# Altium PCB OAI_KPA_Digital_part.PcbDoc (part 1 of 3) (continued)
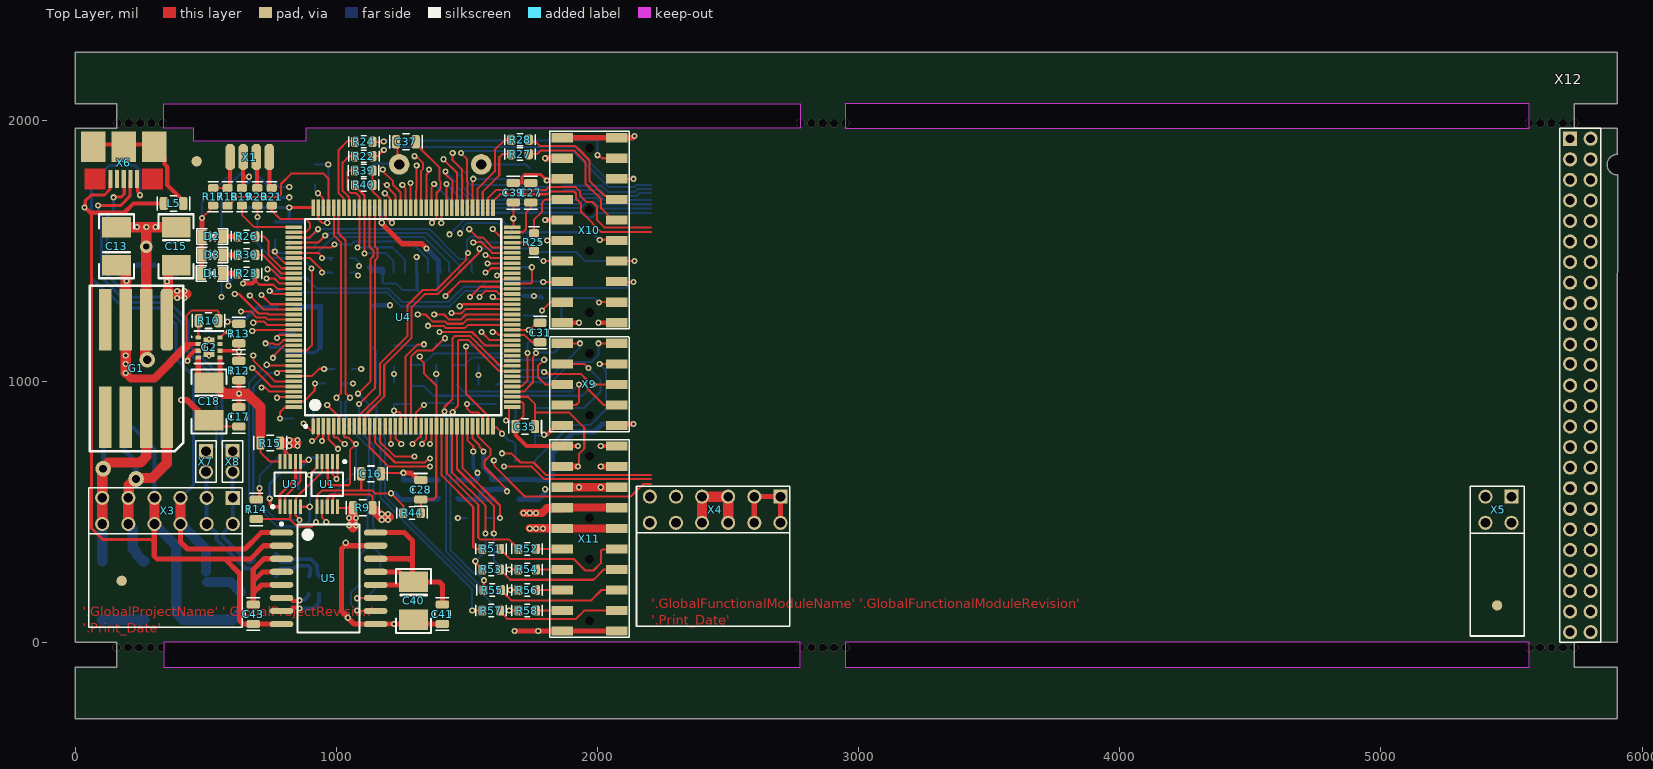
[diagram p0: Top Layer view]
## Components (designator, comment, footprint, x,y, rotation, side; value= is the part's Value field where it differs from the comment) (continued)
R51 "1к" SMD_0603#1 1559.06,358.27 r0 top
R52 "1к" SMD_0603#1 1696.7,358.27 r0 top
R53 "1к" SMD_0603#1 1559.06,279.53 r0 top
R54 "1к" SMD_0603#1 1696.7,279.53 r0 top
R55 "1к" SMD_0603#1 1562.99,200.79 r0 top
R56 "1к" SMD_0603#1 1696.7,200.79 r0 top
R57 "1к" SMD_0603#1 1559.06,122.05 r0 top
R58 "1к" SMD_0603#1 1696.7,122.05 r0 top
U1 "INA261" VSSOP-10 1003.94,692.91 r270 top
U2 "ADR390" TSOT-5 1602.36,549.41 r0 bottom
U3 "INA261" VSSOP-10 783.46,519.69 r90 top
U4 "STM32F405ZGT7" LQFP144 909.92,826.06 r270 top
U5 "ADuM1402" SOIC-16-WIDE 789.37,420.67 r0 top
X1 "EDGE_CONN 2x4" EDGE_CON-8 452.76,1968.5 r0 top
X2 "SD-card" "SD-card holder" 1434.25,1830.71 r0 bottom
X3 "Header 2X6" "PLD2-12R 2.54" 602.76,553.74 r270 top
X4 "Header 2X6" "PLD2-12R 2.54" 2700,558.27 r270 top
X5 "Header 2X4" "PLD2-4 R 2.54" 5500,558.27 r270 top
X6 "mico-BF" "USB Micro-BF smd" 185.04,1775.59 r180 top
X7 "Header 2X1" PLD2-2 500,732.28 r270 top
X8 "Header 2X1" PLD2-2 602.36,732.28 r270 top
X9 "Header 2X10" PBD2-10s 2072.81,1145.67 r0 top
X10 "Header 2X10" PBD2-20S 2072.83,1933.07 r0 top
X11 "Header 2X10" PBD2-20S 2072.83,751.97 r0 top
X12 "Header 2X25" PLD2-50 5724.41,1929.13 r0 top

## Footprints (in the part's own frame and the unit in brackets; to place one, negate y for a bottom-side part, rotate by r counter-clockwise, add the part's x,y. Pads: shape width x height; smd on the part's side, far side on the other; paste and mask are expansions set on the pad)
ACM2012 [mm]
  rrect50% 0.9x0.6 smd: 1(0,0)
  rect 0.9x0.6 smd: 2(1.7,0) 3(1.7,-1) 4(0,-1)
  body extent -0.2,-1.1 1.8,0.1, height 1.29
EDGE_CON-8 [mil]
  oct 36x100 smd: A1(140,-110) A2(190,-110) A3(240,-110) A4(290,-110)
  oct 36x100 smd far side: B1(140,-110) B2(190,-110) B3(240,-110) B4(290,-110)
LED-0805 [mil]
  rect 35x50 smd: 1(0,0) 2(80,0)
  silkscreen extent -20,-30 100,30, body extent 1,-25 80,25, height 43
LQFP144 [mm] "Thin QFP, 144-Leads, Body 20x20mm, Pitch 0.5mm, ST Recommended"
  oval 1.6x0.35 smd: 1(-0.043,0.013)
  rect 1.6x0.35 smd: 2(-0.043,0.513) 3(-0.043,1.013) 4(-0.043,1.513) 5(-0.043,2.013) 6(-0.043,2.513) 7(-0.043,3.013) 8(-0.043,3.513) 9(-0.043,4.013) 10(-0.043,4.513) 11(-0.043,5.013) 12(-0.043,5.513) 13(-0.043,6.013) 14(-0.043,6.513) 15(-0.043,7.013) 16(-0.043,7.513) 17(-0.043,8.013) 18(-0.043,8.513) 19(-0.043,9.013) 20(-0.043,9.513) 21(-0.043,10.013) 22(-0.043,10.513) 23(-0.043,11.013) 24(-0.043,11.513) 25(-0.043,12.013) 26(-0.043,12.513) 27(-0.043,13.013) 28(-0.043,13.513) 29(-0.043,14.013) 30(-0.043,14.513) 31(-0.043,15.013) 32(-0.043,15.513) 33(-0.043,16.013) 34(-0.043,16.513) 35(-0.043,17.013) 36(-0.043,17.513) 73(-21.293,17.513) 74(-21.293,17.013) 75(-21.293,16.513) 76(-21.293,16.013) 77(-21.293,15.513) 78(-21.293,15.013) 79(-21.293,14.513) 80(-21.293,14.013) 81(-21.293,13.513) 82(-21.293,13.013) 83(-21.293,12.513) 84(-21.293,12.013) 85(-21.293,11.513) 86(-21.293,11.013) 87(-21.293,10.513) 88(-21.293,10.013) 89(-21.293,9.513) 90(-21.293,9.013) 91(-21.293,8.513) 92(-21.293,8.013) 93(-21.293,7.513) 94(-21.293,7.013) 95(-21.293,6.513) 96(-21.293,6.013) 97(-21.293,5.513) 98(-21.293,5.013) 99(-21.293,4.513) 100(-21.293,4.013) 101(-21.293,3.513) 102(-21.293,3.013) 103(-21.293,2.513) 104(-21.293,2.013) 105(-21.293,1.513) 106(-21.293,1.013) 107(-21.293,0.513) 108(-21.293,0.013)
  rect 0.35x1.6 smd: 37(-1.918,19.388) 38(-2.418,19.388) 39(-2.918,19.388) 40(-3.418,19.388) 41(-3.918,19.388) 42(-4.418,19.388) 43(-4.918,19.388) 44(-5.418,19.388) 45(-5.918,19.388) 46(-6.418,19.388) 47(-6.918,19.388) 48(-7.418,19.388) 49(-7.918,19.388) 50(-8.418,19.388) 51(-8.918,19.388) 52(-9.418,19.388) 53(-9.918,19.388) 54(-10.418,19.388) 55(-10.918,19.388) 56(-11.418,19.388) 57(-11.918,19.388) 58(-12.418,19.388) 59(-12.918,19.388) 60(-13.418,19.388) 61(-13.918,19.388) 62(-14.418,19.388) 63(-14.918,19.388) 64(-15.418,19.388) 65(-15.918,19.388) 66(-16.418,19.388) 67(-16.918,19.388) 68(-17.418,19.388) 69(-17.918,19.388) 70(-18.418,19.388) 71(-18.918,19.388) 72(-19.418,19.388) 109(-19.418,-1.862) 110(-18.918,-1.862) 111(-18.418,-1.862) 112(-17.918,-1.862) 113(-17.418,-1.862) 114(-16.918,-1.862) 115(-16.418,-1.862) 116(-15.918,-1.862) 117(-15.418,-1.862) 118(-14.918,-1.862) 119(-14.418,-1.862) 120(-13.918,-1.862) 121(-13.418,-1.862) 122(-12.918,-1.862) 123(-12.418,-1.862) 124(-11.918,-1.862) 125(-11.418,-1.862) 126(-10.918,-1.862) 127(-10.418,-1.862) 128(-9.918,-1.862) 129(-9.418,-1.862) 130(-8.918,-1.862) 131(-8.418,-1.862) 132(-7.918,-1.862) 133(-7.418,-1.862) 134(-6.918,-1.862) 135(-6.418,-1.862) 136(-5.918,-1.862) 137(-5.418,-1.862) 138(-4.918,-1.862) 139(-4.418,-1.862) 140(-3.918,-1.862) 141(-3.418,-1.862) 142(-2.918,-1.862) 143(-2.418,-1.862) 144(-1.918,-1.862)
  silkscreen extent -20.22,-0.84 0.08,18.31, body extent -21.67,-2.24 0.33,19.76, height 2
PBD2-10s [mm]
  round 0 hole 0.85: 0(-2.65,-7) 0(-2.65,-1)
  rect 2.1x0.89 smd: 1(0,0) 2(-5.3,0) 3(0,-2) 4(-5.3,-2) 5(0,-4) 6(-5.3,-4) 7(0,-6) 8(-5.3,-6) 9(0,-8) 10(-5.3,-8)
  silkscreen extent -6.52,-8.62 1.22,0.63, body extent -5.9,-8.95 0.6,0.95, height 4.2
PBD2-20S [mm]
  round 0 hole 0.85: 0(-2.65,-17) 0(-2.65,-11) 0(-2.65,-7) 0(-2.65,-1)
  rect 2.1x0.89 smd: 1(0,0) 2(-5.3,0) 3(0,-2) 4(-5.3,-2) 5(0,-4) 6(-5.3,-4) 7(0,-6) 8(-5.3,-6) 9(0,-8) 10(-5.3,-8) 11(0,-10) 12(-5.3,-10) 13(0,-12) 14(-5.3,-12) 15(0,-14) 16(-5.3,-14) 17(0,-16) 18(-5.3,-16) 19(0,-18) 20(-5.3,-18)
  silkscreen extent -6.53,-18.57 1.22,0.63, body extent -5.9,-18.95 0.6,0.95, height 4.2
PLD2-2 [mil]
  rect 54x54 hole 37.4: 1(0,0)
  round 54 hole 37.4: 2(78.74,0)
  silkscreen extent -39,-40 118,39, body extent -51,-40 130,39, height 217
"PLD2-4 R 2.54" [mil]
  rect 54x54 hole 37.4: 1(0,0)
  round 54 hole 37.4: 2(100,0) 3(0,-100) 4(100,-100)
  silkscreen extent -39,-158 534,49, body extent -15,-149 502,51, height 200
"PLD2-12R 2.54" [mil]
  rect 54x54 hole 37.4: 1(0,0)
  round 54 hole 37.4: 2(100,0) 3(0,-100) 4(100,-100) 5(0,-200) 6(100,-200) 7(0,-300) 8(100,-300) 9(0,-400) 10(100,-400) 11(0,-500) 12(100,-500)
  silkscreen extent -39,-551 496,35, body extent -13,-550 504,50, height 200
PLD2-50 [mil]
  rect 54x54 hole 34: 1(0,0)
  round 54 hole 34: 2(78.74,0) 3(0,-78.74) 4(78.74,-78.74) 5(0,-157.48) 6(78.74,-157.48) 7(0,-236.22) 8(78.74,-236.22) 9(0,-314.96) 10(78.74,-314.96) 11(0,-393.7) 12(78.74,-393.7) 13(0,-472.44) 14(78.74,-472.44) 15(0,-551.18) 16(78.74,-551.18) 17(0,-629.92) 18(78.74,-629.92) 19(0,-708.66) 20(78.74,-708.66) 21(0,-787.4) 22(78.74,-787.4) 23(0,-862.2) 24(78.74,-866.14) 25(0,-944.88) 26(78.74,-944.88) 27(0,-1023.62) 28(78.74,-1023.62) 29(0,-1102.36) 30(78.74,-1102.36) 31(0,-1181.1) 32(78.74,-1181.1) 33(0,-1259.84) 34(78.74,-1259.84) 35(0,-1338.58) 36(78.74,-1338.58) 37(0,-1417.32) 38(78.74,-1417.32) 39(0,-1496.06) 40(78.74,-1496.06) 41(0,-1574.8) 42(78.74,-1574.8) 43(0,-1653.54) 44(78.74,-1653.54) 45(0,-1732.28) 46(78.74,-1732.28) 47(0,-1811.02) 48(78.74,-1811.02) 49(0,-1889.76) 50(78.74,-1889.76)
  silkscreen extent -39,-1929 118,39, body extent -69,-2071 148,181, height 220
"SD-card holder" [mm] "SD-card"
  rect 0.7x1.6 smd: 1(2.225,10.5) 2(1.125,10.5) 3(0.025,10.5) 4(-1.075,10.5) 5(-2.175,10.5) 6(-3.275,10.5) 7(-4.375,10.5) 8(-5.475,10.5) Gd(-6.575,10.5)
  rect 1.2x2 smd: MP0(-7.75,0.4) MP0(7.75,0.4)
  rect 1.2x1.4 smd: MP0(-7.75,10)
  round 2 hole 1: MP0(-4.93,0) MP0(3.05,0)
  rect 1.6x1.4 smd: MP0(6.85,10)
  silkscreen extent -7.3,-3.6 7.4,10.2, body extent -8,-3.98 8,11.27, height 1.93
SMD_0603#1 [mm]
  rrect50% 0.8x1 smd: 1(0,0) 2(1.7,0)
  silkscreen extent -0.64,-0.6 2.32,0.6, body extent 0.04,-0.42 1.68,0.43, height 0.43
SMD_0603#2 [mm]
  rect 0.8x1 smd: 1(0,0) 2(1.7,0)
  silkscreen extent -0.64,-0.6 2.32,0.6, body extent 0.04,-0.42 1.68,0.43, height 0.43
SMD_0805#1 [mm]
  rrect50% 0.8x1.3 smd: 1(0,0) 2(1.9,0)
  silkscreen extent -0.64,-0.76 2.54,0.76, body extent -0.05,-0.62 1.95,0.63, height 0.43
SMD_0805#2 [mm]
  rect 0.8x1.3 smd: 1(0,0) 2(1.9,0)
  silkscreen extent -0.64,-0.76 2.54,0.76, body extent -0.05,-0.62 1.95,0.63, height 0.43
SMD_7050_Crystal_Oscillator [mm]
  rrect50% 2x2 smd: 1(0,0)
  rect 2x2 smd: 2(5.08,0) 3(5.08,4) 4(0,4)
  silkscreen extent -1.22,-0.72 6.32,4.72, body extent -0.95,-0.5 6.05,4.52, height 1.52
SMD_size_B [mm]
  rect 2x2.8 smd: 1(0,0) 2(3.683,0)
  silkscreen extent -1.27,-1.7 4.95,1.7, body extent 0.1,-1.4 3.6,1.4, height 1.9
SMD_size_C [mm]
  rect 2.3x2.5 smd: 1(0,0) 2(5.7,0)
  silkscreen extent -1.4,-1.8 7.1,1.8, body extent -0.2,-1.6 5.8,1.6, height 2.5
SOIC-16-WIDE [mm] "SOIC, 16-Leads, Body 10.3x7.5mm, Pitch 1.27mm, IPC Medium Density"
  oval 2.3x0.6 smd: 1(0,-0.005) 2(0,-1.275) 3(0,-2.545) 4(0,-3.815) 5(0,-5.085) 6(0,-6.355) 7(0,-7.625) 8(0,-8.895) 9(9.15,-8.895) 10(9.15,-7.625) 11(9.15,-6.355) 12(9.15,-5.085) 13(9.15,-3.815) 14(9.15,-2.545) 15(9.15,-1.275) 16(9.15,-0.005)
  silkscreen extent -0.12,-9.7 7.6,0.97, body extent -0.67,-9.62 9.82,0.73, height 2.65
TDN_5_WISM [mm] "DC/DC converter case"
  rect 6x1.2 smd: 1(0,0) 2(0,2) 3(0,4) 4(0,6) 6(9.5,2) 7(9.5,4) 8(9.5,6)
  rrect50% 6x1.2 smd: 5(9.5,0)
  silkscreen extent -3.3,-1.6 12.8,7.5, body extent -2.29,-1.56 11.91,7.54, height 10.13
TSOT-5 [mm]
  rect 0.95x0.6 smd: 1(0,0) 2(0,-0.95) 3(0,-1.9) 4(2.45,-1.9) 5(2.45,0)
  silkscreen extent -0.72,-2.65 3.17,0.97, body extent -0.28,-2.5 2.72,0.6, height 1.1
"USB Micro-BF smd" [mm]
  rect 2.4x3 smd: 0(-2.975,-3.125) 0(0,-3.125) 0(2.975,-3.125)
  rect 0.4x1.75 smd: 1(-1.3,0) 2(-0.65,0) 3(0,0) 4(0.65,0) 5(1.3,0)
  Top Layer region: 3.8,1 3.8,-1 1.8,-1 1.8,1
  Top Layer region: -1.8,1 -1.8,-1 -3.8,-1 -3.8,1
  Top Layer region: -2.3,-2
  body extent -3.93,-4.45 3.87,0.55, height 2.93
uSiL-8 [mm] "microSiP 9-pin 3.0x2.8mm"
  rrect50% 0.5x0.4 smd: 1(0,0)
  rect 0.5x0.4 smd: 2(0,-0.65) 3(0,-1.3) 4(0,-1.95) 5(2.1,-1.95) 6(2.1,-1.3) 7(2.1,-0.65) 8(2.1,0)
  rect 1.1x1.9 smd: 9(1.05,-0.975)
  silkscreen extent -0.7,-2.55 2.45,0.6, body extent -0.35,-2.47 2.45,0.53, height 1.53
VSSOP-10 [mm] "Small Outline Package, 10-pin, 3x3mm, 1.1mm height"
  rrect50% 1.45x0.3 smd: 1(0,0)
  rect 1.45x0.3 smd: 2(0,-0.5) 3(0,-1) 4(0,-1.5) 5(0,-2) 6(4.4,-2) 7(4.4,-1.5) 8(4.4,-1) 9(4.4,-0.5) 10(4.4,0)
  silkscreen extent -0.12,-2.55 3.35,0.83, body extent -0.25,-2.55 4.65,0.55, height 1.1

## Part data
C1 C2 C3 C4 C5 C6 C7 C8 C9 C12 C14 C16 C17 C19 C20 C21 C22 C23 C24 C25 C26 C27 C28 C29 C30 C31 C32 C33 C34 C35 C36 C37 C38 C39 C41 C42 C43 C45 C46: library part Capacitor, "Capacitor", Назначение=SMD-конденсатор, Наименование=Конденсатор, Потребление, Вт=0
C10 C11 C13 C15 C18 C40 C44: library part Capacitor_pol, "Polarized capacitor", Назначение="Поляризованный SMD-конденсатор", Наименование="Поляризованный конденсатор", Потребление, Вт=0
G1: library part TDN_5, "DC/DC converter", DataSheet=https://www.tracopower.com/sites/default/files/products/datasheets/tdn5wi_datasheet.pdf, Назначение="DC-DC преобразователь", Наименование="TDN 5-4821WI", Потребление, Вт=0,01
G2: "17-V Input 3-A Step-Down Converter MicroSiP™ Module with Integrated Inductor", ComponentLink1Description="Data sheet", ComponentLink1URL=http://www.ti.com/lit/ds/symlink/tps82130.pdf, DataSheet=https://www.ti.com/lit/ds/symlink/tps82130.pdf?ts=1592813288219&ref_url=https%253A%252F%252Fwww.google.com%252F, Назначение="17-V Input 3-A Step-Down Converter MicroSiP™ Module with Integrated Inductor", Наименование=TPS82130, Потребление, Вт=1,0
GK1: library part Crystal_Oscillator, "Crystall oscillator, CMOS, 3.3V, SMD7050", ComponentLink1Description=DataSheet, ComponentLink1URL=http://www.lit-phonon.ru/downloads/GK108-P.pdf, Назначение="Кварцевый генератор", Наименование=VCC1-B3B-10M, Потребление, Вт=0,165
L1 L2 L3 L5: library part Inductor, "Inductor", Назначение=SMD-индуктивность, Наименование=Индуктивность, Потребление, Вт=0,010
L4 L6: library part Inductor_coupled, "Coupled inductor", Назначение="Связанная индуктивность", Наименование=PLT10HH1026R0PN, Потребление, Вт=0,1
R1 R2 R3 R4 R5 R6 R7 R8 R9 R10 R11 R12 R13 R14 R15 R16 R17 R18 R19 R20 R21 R22 R23 R24 R25 R26 R27 R28 R29 R30 R31 R32 R33 R34 R35 R36 R37 R38 R39 R40 R41 R42 R43 R44 R45 R46 R47 R48 R49 R50 R51 R52 R53 R54 R55 R56 R57 R58: library part Resistor, "Resistor", Назначение=SMD-резистор, Наименование=Резистор, Потребление, Вт=0,001
U1 U3: library part INA226, "High- or Low-Side Measurement, Bidirectional Current and Power Monitor With I2C Interface", ComponentLink1Description="Data sheet", ComponentLink1URL=http://www.ti.com/lit/ds/symlink/ina226.pdf, DataSheet=https://www.ti.com/lit/ds/symlink/ina226.pdf?ts=1592809211957&ref_url=https%253A%252F%252Fwww.google.com%252F, Назначение="High-Side or Low-Side Measurement,", Наименование=INA226, Потребление, Вт=0,001
U2: "Micropower, Low Noise Precision Voltage Reference with Shutdown, 2.5 V Output, 2.8 to 15 V Supply, Industrial, 5-pin SOT23 (UJ-5), Reel", DataSheet=https://www.analog.com/media/en/technical-documentation/data-sheets/ADR390.pdf, Назначение="Источник опорного напряжения", Наименование=ADR390, Потребление, Вт=0,001
U4: library part STM32F405ZGT, "ARM Cortex-M4 32-bit MCU+FPU, 210 DMIPS, 1024 kB Flash, 192 kB Internal RAM, 114 I/Os, 144-pin LQFP, -40 to 105 degC, Tray", ComponentLink1Description=Datasheet, ComponentLink1URL=http://www.st.com/st-web-ui/static/active/en/resource/technical/document/datasheet/DM00037051.pdf, DataSheet=https://www.st.com/content/ccc/resource/technical/document/reference_manual/3d/6d/5a/66/b4/99/40/d4/DM00031020.pdf/files/DM00031020.pdf/jcr:content/translations/en.DM00031020.pdf, HalManual=https://www.st.com/resource/en/user_manual/dm00105879-description-of-stm32f4-hal-and-ll-drivers-stmicroelectronics.pdf, Назначение="ARM Cortex-M4 32-bit MCU+FPU", Наименование=STM32F405ZGT7, Потребление, Вт=0.2
U5: library part ADuM4160, "Quad Channel Digital Isolator, 2.5 KV rms Insulation Rating", DataSheet=https://www.analog.com/media/en/technical-documentation/data-sheets/ADuM4160.pdf, Назначение="цифровой изолятор шины USB", Наименование=ADuM4160, Потребление, Вт=0,025
X1: library part "EDGE 2X4", Назначение="Разъем для прошивки МК", Потребление, Вт=0
X2: library part "SD-card holder", "SD-card holder", Назначение="Слот под SD-карту", Наименование=SD-card
X3 X4: library part PLD2-12, "Header, 12-Pin, Dual row", Назначение="Header, 12-Pin, Dual row", Наименование=PLD2-12, Потребление, Вт=0,0
X5: library part PLD2-4, "Header, 4-Pin, Dual row", Назначение="Header, 4-Pin, Dual row", Наименование=PLD2-4, Потребление, Вт=0,0
X6: library part MicroUSB, "USB mico-BF", Назначение="Разъем на плату", Наименование=Micro-BF, Потребление, Вт=0
X7 X8: library part PLD2-2, "Header, 2-Pin, Dual row", Назначение="Header, 2-Pin, Dual row", Наименование=PLD2-2, Потребление, Вт=0,0
X9: library part PLD2-10, "Header, 10-Pin, Dual row", Назначение="Header, 10-Pin, Dual row", Наименование=PLD2-10, Потребление, Вт=0,0
X10 X11: library part PLD2-20, "Header, 12-Pin, Dual row", Назначение="Header, 20-Pin, Dual row", Наименование=PLD2-20, Потребление, Вт=0,0
X12: library part PLD2-50, "Header, 50-Pin, Dual row", Назначение="Header, 20-Pin, Dual row", Наименование=PLD2-50, Потребление, Вт=0,0
D1 D2 D3: Назначение=Светодиод, Наименование=SMD-LED, Потребление, Вт=0,01

## Free pads (board coordinates)
  round 60 hole 30: 2(106.3,665.35) 3(232.28,625.98)
  round 39.37 smd far side mask+78.74: 4(118.11,1188.98) 4(1338.58,141.73) 4(5444.88,141.73)
  round 39.37 smd mask+78.74: 4(177.17,236.22) 4(464.57,1842.52) 4(5444.88,141.73)

## Via types
v1: diameter 23.62, hole 11.81, Top Layer to Bottom Layer, 243 vias
v2: diameter 31.5, hole 31.5, Top Layer to Bottom Layer, 30 vias
v3: diameter 19.68, hole 7.87, Top Layer to Bottom Layer, 2 vias
v4: diameter 43.31, hole 31.5, Top Layer to Bottom Layer, 1 vias
v5: diameter 59.06, hole 31.5, Top Layer to Bottom Layer, 1 vias
v6: diameter 47.24, hole 23.62, Top Layer to Bottom Layer, 1 vias

## Nets (pads, with @x,y where several pads share a name; then routed paths per layer and width w, separated by ;. In a path a pad name is that pad's centre, name@x,y a point inside that pad or via, vN(x,y) a via of type N, cw(c..) or ccw(c..) an arc to the next point about the centre after c; other vN are vias at no path point)
2V048: C20.2 U2.3 U2.4 U4.32 X9.9 | length 984.9
  Top Layer w7.87: U4.32@1520.67,827.76 1520.67,782.48 1547.71,755.44 1547.71,750.01 1562.99,734.73 v1(1562.99,731.89)
  Top Layer w19.68: X9.9@2072.81,830.71 2078.06,835.96 2137.04,835.96 v1(2137.8,836.71)
  Bottom Layer w19.68: v1(1562.99,731.89) 1562.99,672.17 1593.5,641.66 1593.5,626.18 1595.47,624.21 U2.4@1698.82,624.21 1761.61,624.21 C20.2@1763.78,622.05 1811.02,622.05 1826.77,637.8 1826.77,724.41 1909.45,807.09 1988.19,807.09 2017.81,836.71 v1(2137.8,836.71)
3.3V: C16.2 C22.2 C23.2 C24.2 C25.2 C29.2 C30.2 C31.2 C32.2 C33.2 C34.2 C35.2 C36.2 C37.2 C38.2 C39.2 GK1.1 GK1.4 L1.1 R14.1 R15.2 R16.2 R23.2 R34.2 R35.2 R36.2 R37.2 R38.2 R39.2 R40.2 R43.2 R44.1 U1.6 U3.2 U3.6 U3.8 U3.9 U4.6 U4.17 U4.30 U4.39 U4.52 U4.62 U4.72 U4.84 U4.95 U4.108 U4.121 U4.131 U4.144 X1.B3 X2.4 X10.4 X11.3 X11.4 | length 6328.5
  Top Layer w7.87: R23.2@688.98,1413.39 688.98,1385.83 704.99,1369.82 733.9,1369.82 ; v1(728.35,1145.67) 757.93,1145.67 761.87,1141.73 781.44,1141.73 795.27,1155.57 795.27,1157.48 U4.131@836.61,1157.48 ; 734.31,1369.82 758.42,1369.82 773.91,1354.33 U4.121@836.61,1354.33 ; R15.2@783.46,763.78 783.46,752.95 803.15,733.27 ; v1(783.46,858.27) 783.46,881.89 803.15,901.57 U4.144@836.61,901.57 ; U3.2@803.15,519.69 803.15,559.06 862.2,618.11 U3.6@862.2,692.91 ; U3.9@803.15,692.91 803.15,733.27 ; U3.8@822.83,692.91 822.83,715.55 810.04,728.35 808.07,728.35 803.15,733.27 ; U1.6@925.2,519.69 925.2,562.99 944.88,582.68 1136.44,582.68 1148.26,570.87 v1@1208.66,570.87 ; v1(964.57,909.94) 964.57,909.45 1008.86,865.16 U4.6@1008.86,827.76 ; R39.2@1137.8,1807.09 1137.95,1806.94 1137.95,1728.34 1165.35,1700.94 1165.35,1665.35 U4.95@1166.34,1664.37 1166.34,1618.39 1173.23,1611.5 v1(1173.23,1607.24) ; v1(1209.04,571.25) v1@1208.66,570.87 ; U4.17@1225.39,827.76 1225.39,782.48 v1(1248.03,759.84) ; R44.1@1255.91,496.06 1255.91,523.62 v1@1208.66,570.87 ; C37.2@1303.74,1909.02 1317.09,1895.67 1317.22,1895.67 1393.7,1819.19 1393.7,1769.62 1397.64,1765.69 1397.64,1736.19 1382.87,1721.43 U4.84@1382.87,1664.37 1382.87,1623.03 1367.09,1607.24 v1(1366.14,1607.24) ; v1(1417.32,1326.77) 1472.44,1381.89 1623.96,1381.89 1634.78,1392.72 1672.24,1392.72 U4.62@1673.23,1393.7 ; U4.30@1481.3,827.76 1481.98,827.07 1481.98,668.65 1625.98,524.65 v1(1625.98,476.38) ; U4.39@1673.23,940.95 1732.28,940.95 1759.84,913.39 1759.84,881.89 ; U4.52@1673.23,1196.85 v1(1736.22,1196.85) 1740,1196.85 1767.55,1224.41 C31.2@1779.53,1224.41 ; U4.72@1673.23,1590.55 1674.21,1590.55 1677.17,1593.5 v1(1677.17,1623.21) C39.2@1677.17,1685.04 ; C35.2@1759.84,826.77 1759.84,881.89 ; v1(1925.2,673.23) 1925.2,677.49 1929.13,681.43 1929.13,722.5 1948.82,742.18 1948.82,822.83 1891.54,880.12 1761.61,880.12 1759.84,881.89
  Top Layer w8.66: 1094.49,586.61 C16.2@1094.49,645.67
  Top Layer w11.81: R14.1@692.91,547.24 704.72,559.06 v1(704.72,590.55) ; v1(818.9,1665.35) 901.57,1665.35 ; U3.6@862.2,692.91 v1@893.7,692.91
  Top Layer w15.75: v1(641.73,1374.15) 677.3,1374.15 688.98,1385.83
  Top Layer w19.68: v1(1173.23,1607.24) 1173.23,1606.18 1175.2,1604.21 1175.2,1602.89 1251.12,1526.97 1327.36,1526.97 1341.87,1512.46 1341.87,1511.16 v1(1344.61,1508.42)
  Top Layer w23.62: v1(1799.21,1854.33) X10.4@1864.17,1854.33 ; X11.4@1864.17,673.23 v1(1925.2,673.23) ; v1(2011.81,673.23) X11.3@2072.83,673.23
  Top Layer w39.37: R15.2@783.46,763.78 846.46,763.78
  Bottom Layer w7.87: v1(704.72,590.55) 704.72,637.8 v1(818.9,751.97) ; v1(783.46,858.27) C36.2@834.65,858.27 ; R43.2@1023.62,992.13 1027.56,988.19 1031.5,992.13 v1(1062.99,992.13) ; C32.2@1070.87,1665.35 1161.42,1665.35 1173.23,1653.54 v1(1173.23,1607.24) ; C30.2@1574.8,476.38 v1(1625.98,476.38)
  Bottom Layer w11.81: R16.2@637.52,1673.58 645.75,1665.35 v1(818.9,1665.35) ; X1.B3@692.76,1858.5 692.76,1793.89 781.92,1704.72 v1(818.9,1704.72) ; v1(728.35,1145.67) 731.54,1145.67 747.29,1129.92 791.34,1129.92 811.02,1110.24 C34.2@838.58,1110.24 918.11,1110.24 GK1.4@937.8,1129.92 ; R38.2@763.78,1610.24 R37.2@818.9,1610.24 ; R34.2@854.33,590.55 C24.2@854.33,653.54 ; C38.2@862.2,1665.35 v1(818.9,1665.35) ; C24.2@866.09,672.19 894.68,700.79 897.88,700.79 905.07,707.98 R35.2@937.69,707.98 ; R36.2@874.02,1610.24 R37.2@818.9,1610.24 ; C32.2@1070.87,1665.35 1070.87,1667.47 C32.2@1080.56,1677.17 ; C25.2@1386.69,1346.46 1389.31,1349.07 1389.31,1414.7 X2.4@1391.93,1417.32 ; R37.2@818.9,1610.24 v1(818.9,1665.35)
  Bottom Layer w15.75: v1(641.73,1374.15) 671.88,1374.15 681.1,1383.37 681.1,1405.51 C33.2@688.98,1413.39
  Bottom Layer w19.68: C29.2@846.46,1283.46 848.43,1285.43 935.83,1285.43 GK1.1@937.8,1287.4 GK1.4@937.8,1129.92 ; v1(1209.04,571.25) 1209.8,570.49 1223.01,570.49 1246.06,547.44 C22.2@1322.83,547.44 1385.83,547.44 L1.1@1389.76,551.38 ; v1(1344.61,1508.42) 1389.98,1463.04 1389.98,1424.98 X2.4@1393.7,1421.26
  other v1: 893.7,699.8 850.39,751.97 818.9,775.59 850.39,775.59
3V3: C40.1 C41.2 U5.12 U5.13 U5.14 U5.16 | length 963
  Top Layer w19.68: U5.12@1149.61,220.47 1284.13,220.47 C40.1@1295.28,231.61 ; U5.13@1149.61,270.47 1240.67,270.47 1279.53,231.61 C40.1@1295.28,231.61 ; U5.14@1149.61,320.47 1277.95,320.47 1291.34,307.09 ; U5.16@1149.61,420.47 1260.63,420.47 1291.34,389.76 1291.34,307.09 ; C41.2@1405.51,145.67 1405.51,220.08 1393.98,231.61 C40.1@1295.28,231.61 ; 1291.34,307.09 1291.34,235.55 C40.1@1295.28,231.61
3V3A: C21.2 L1.2 U2.1 U2.2 U4.33 | length 582.3
  Top Layer w7.87: U4.33@1540.35,827.76 1541.34,826.77 1541.34,789.37 1590.55,740.16 1590.55,718.5 1566.93,694.88 1566.93,671.96 1653.54,585.35 v1(1653.54,578.77)
  Bottom Layer w19.68: L1.2@1464.57,551.38 1468.5,547.44 C21.2@1535.43,547.44 C21.2@1545.28,547.44 ; C21.2@1546.26,548.43 1601.38,548.43 U2.1@1602.36,549.41 ; C21.2@1551.18,553.35 1551.18,567.71 1568.31,584.84 1600.39,584.84 U2.2@1602.36,586.81 1644.43,586.81 1652.48,578.77 v1(1653.54,578.77)
10MHz: GK1.3 R41.2 | length 154.1
  Bottom Layer w7.87: GK1.3@1137.8,1129.92 1151.91,1115.8 1151.91,990.5 R41.2@1145.67,984.25
+5V: R9.2 U1.8 U1.9 X11.7 X11.8 | length 758
  Top Layer w7.87: U1.8@964.57,519.69 966.54,521.65 966.54,557.09 976.38,566.93 1000,566.93 ; U1.9@984.25,519.69 986.22,521.65 986.22,553.15 1000,566.93 ; R9.2@1137.8,515.75 1137.8,559.06 1129.92,566.93 1000,566.93
  Top Layer w31.5: v1(1716.54,496.06) 1787.4,496.06 1805.32,513.98 1862.4,513.98 X11.8@1864.17,515.75 1865.16,516.73 2071.85,516.73 X11.7@2072.83,515.75
  Top Layer w39.37: R9.2@1137.8,515.75 1137.8,513.78 1171.26,480.31 1200.79,480.31
  other v1: 1173.23,468.5 1196.85,468.5 1173.23,492.13 1196.85,492.13 1740.16,496.06 1763.78,496.06
-5V: C14.1 C15.2 G1.5 X11.9 X11.10 | length 809.1
  Top Layer w31.5: v1(1740.16,437.01) X11.10@1864.17,437.01 1865.16,436.02 2071.85,436.02 X11.9@2072.83,437.01
  Top Layer w39.37: C15.2@385.83,1444.88 374.02,1444.88 354.33,1425.2 G1.5@354.33,1334.65 ; 425.2,1334.65 G1.5@354.33,1334.65 ; G1.5@354.33,1334.65 350.39,1330.71 G1.5@350.39,1236.22 354.33,1240.16 G1.5@354.33,1334.65
  Bottom Layer w23.62: v1(350.39,1381.89) 377.95,1409.45 ; 381.89,1409.45 C14.1@381.89,1444.88
  other v1: 1763.78,437.01 1791.34,437.01 389.76,1318.9 417.32,1318.9 389.76,1346.46 417.32,1346.46
A_GND: C1.1 C2.1 C3.1 C4.1 C5.1 C6.1 C7.1 C8.1 C20.1 C21.1 C45.1 C46.1 L2.2 U2.5 U4.31 X9.10 X10.19 X10.20 | length 1023.1
  Top Layer w7.87: U4.31@1500.98,827.76 1500.98,774.61 1523.62,751.97 v1(1523.62,731.89)
  Top Layer w15.75: v1(1795.28,795.28) 1796.78,796.78 1806.4,796.78 1840.33,830.71 X9.10@1864.15,830.71 ; X10.20@1864.17,1224.41 v1(1929.13,1224.41) ; v1(2003.94,1224.41) X10.19@2072.83,1224.41
  Bottom Layer w7.87: C5.1@1220.47,996.06 C6.1@1220.47,1055.12 ; C8.1@1381.89,988.19 v1(1381.89,1027.56) C7.1@1381.89,1062.99 ; C1.1@1543.31,988.19 v1(1543.31,1023.62) C2.1@1543.31,1062.99 ; C3.1@1759.84,759.43 1759.84,792.9 ; C4.1@1759.84,826.36 1759.84,792.9 ; v1(1795.28,795.28) 1792.9,792.9 1759.84,792.9
  Bottom Layer w11.81: v1(1523.62,731.89) 1523.62,668.55 1539.37,652.8 v1(1539.37,649.61)
  Bottom Layer w15.75: C46.1@1716.54,1326.77 v1(1755.91,1326.77) 1757.41,1325.27 1781.03,1325.27 C45.1@1787.4,1318.9
  Bottom Layer w19.68: L2.2@1464.57,622.24 C21.1@1535.43,622.24 1539.37,626.18 v1(1539.37,649.61) ; U2.5@1698.82,549.41 1699.9,548.33 1762.7,548.33 C20.1@1763.78,547.24 1773.62,547.24 1798.46,572.08 1798.46,585.86 v1(1799.21,586.61)
  other v1: 1220.47,1027.56
ADC_IN_1: R1.2 X9.1 | length 555.4
  Top Layer w7.87: v1(2003.94,1145.67) X9.1@2072.81,1145.67
  Bottom Layer w7.87: R1.2@1610.24,988.19 1620.08,988.19 1629.46,997.57 1636.05,997.57 1636.5,998.02 1777,998.02 1778.96,996.06 1811.58,996.06 1813.54,998.02 1824.87,998.02 1901.65,1074.8 1977.35,1074.8 2003.94,1101.39 v1(2003.94,1145.67)
ADC_IN_2: R2.2 X9.2 | length 486.2
  Top Layer w7.87: X9.2@1864.15,1145.67 v1(1933.07,1145.67)
  Bottom Layer w7.87: R2.2@1610.24,1062.99 1617.57,1062.99 1629.08,1051.48 1629.08,1044.15 1657.48,1015.75 1781.55,1015.75 1785.49,1011.81 1805.06,1011.81 1809,1015.75 1818.9,1015.75 1930.06,1126.91 1930.06,1142.66 v1(1933.07,1145.67) v1@1933.07,1141.41
ADC_IN_3: R3.2 X9.3 | length 608.5
  Top Layer w7.87: v1(2007.87,1066.93) X9.3@2072.81,1066.93
  Bottom Layer w7.87: R3.2@1759.84,692.5 1759.84,696.35 1771.35,707.86 1771.35,711.73 1775.22,711.73 1896.17,832.67 1971.44,832.67 2032.04,893.28 2032.04,1042.76 v1(2007.87,1066.93)
ADC_IN_4: R4.2 X9.4 | length 493.7
  Top Layer w7.87: X9.4@1864.15,1066.93 1864.42,1066.66 1949.09,1066.66 v1(1964.56,1051.18)
  Bottom Layer w7.87: R4.2@1759.84,893.7 1764.76,898.62 1949.87,898.62 2010.22,958.97 2010.22,1005.53 1968.82,1046.92 v1@1964.56,1046.92
ADC_IN_5: R5.2 X9.5 | length 821.3
  Top Layer w7.87: v1(1984.25,988.19) X9.5@2072.81,988.19
  Bottom Layer w7.87: R5.2@1287.4,988.19 1293.31,982.28 1333.62,982.28 1371.02,944.88 1422.95,944.88 1940.94,944.88 v1(1984.25,988.19)
ADC_IN_6: R6.2 X9.6 | length 720.2
  Top Layer w7.87: v1(1795.28,1082.68) 1771.65,1059.06 1771.65,1045.22 1771.65,1025.65 1771.65,1015.75 1799.21,988.19 X9.6@1864.15,988.19
  Bottom Layer w7.87: R6.2@1283.46,1062.99 1328.46,1062.99 1371.77,1106.3 1645.67,1106.3 1669.29,1082.68 v1(1795.28,1082.68)
ADC_IN_7: R7.2 X9.7 | length 736.8
  Top Layer w7.87: v1(1795.27,1035.43) 1795.27,1043.3 1811.7,1026.88 1818.22,1026.88 1818.9,1027.56 1936.84,1027.56 1957.23,1007.17 1957.23,975.84 2023.62,909.45 X9.7@2072.81,909.45
  Bottom Layer w7.87: R7.2@1448.82,1062.99 1489.88,1062.99 1517.44,1090.55 1584.37,1090.55 1636.11,1090.55 1682.42,1044.24 v1@1795.28,1044.24
ADC_IN_8: R8.2 X9.8 | length 629.4
  Top Layer w7.87: X9.8@1864.15,909.45 1917.32,909.45 1929.13,921.26 v1(1929.13,988.19)
  Bottom Layer w7.87: R8.2@1460.47,988.19 1470.47,978.18 1470.47,976.38 1486.22,960.63 1901.57,960.63 v1(1929.13,988.19)
ADC_MC_IN_1: C1.2 R1.1 U4.34 | length 237.1
  Top Layer w7.87: v1(1500,913.39) 1500,895.21 1515.41,879.8 1543.4,879.8 1559.06,864.14 1559.06,828.74 U4.34@1560.04,827.76
  Bottom Layer w7.87: v1(1500,913.39) 1543.31,913.39 R1.1@1610.24,913.39
ADC_MC_IN_2: C2.2 R2.1 U4.35 | length 456.6
  Top Layer w7.87: v1(1496.06,1133.86) 1496.06,952.76 1579.72,869.09 U4.35@1579.72,827.76
  Bottom Layer w7.87: v1(1496.06,1133.86) 1500.32,1133.86 1504.26,1137.8 R2.1@1610.24,1137.8
ADC_MC_IN_3: C3.2 R3.1 U4.36 | length 190.1
  Top Layer w7.87: U4.36@1600.39,826.77 U4.36@1599.41,827.76 1599.41,825.79 1602.36,822.83 1614.17,822.83 1633.86,803.15 v1(1633.86,799.21) v1@1633.86,795.28
  Bottom Layer w7.87: v1(1633.86,799.21) 1661.42,771.65 1673.53,771.65 1685.04,760.14 C3.2@1685.04,759.43 R3.1@1685.04,692.5